# Altium PCB fpgav2.2.PcbDoc (part 5 of 5)
Units mm, origin at the board's own origin, x right, y up, seen from the top; angles counter-clockwise.
Board outline 100 x 100 mm, 4 copper layers (Top Layer, S1, S2, Bottom Layer), stack 1.853 mm thick; 11 components, 223 nets, 672 pads, 762 vias.
Unrouted connection lines stored in the file: 7.
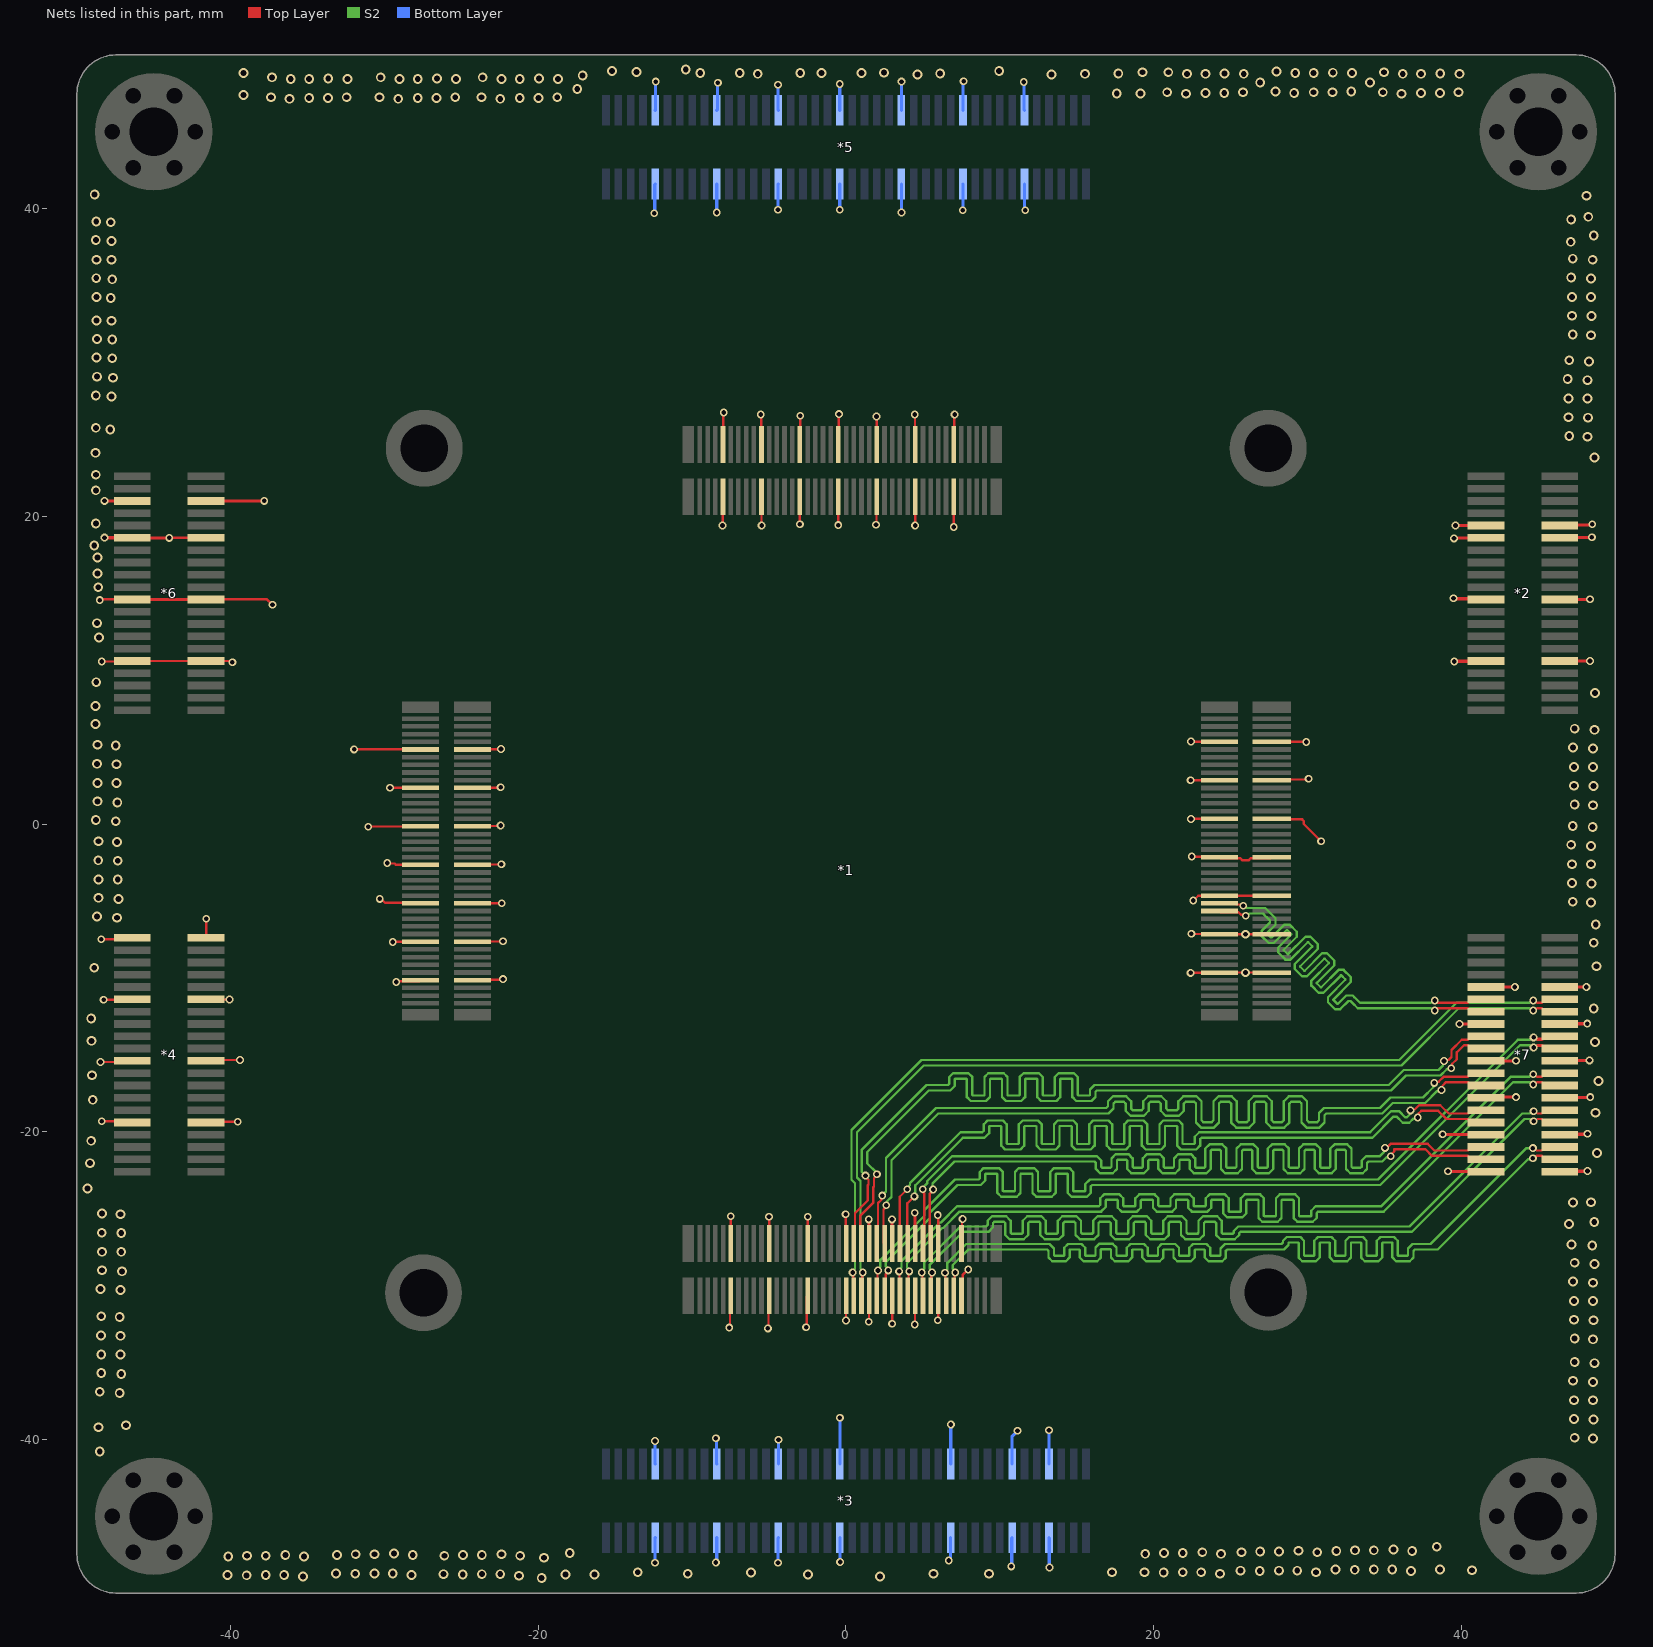
[diagram p7: the nets of this part, all layers, seen from the top]

## Via types
v1: diameter 0.508, hole 0.305, Top Layer to Bottom Layer, 418 vias
v2: diameter 0.635, hole 0.381, Top Layer to Bottom Layer, 340 vias
v3: diameter 0.559, hole 0.305, Top Layer to Bottom Layer, 4 vias

## Nets (pads, with @x,y where several pads share a name; then routed paths per layer and width w, separated by ;. In a path a pad name is that pad's centre, name@x,y a point inside that pad or via, vN(x,y) a via of type N, cw(c..) or ccw(c..) an arc to the next point about the centre after c; other vN are vias at no path point) (continued)
GND: *1.9 *1.10 *1.19 *1.20 *1.29 *1.30 *1.39 *1.40 *1.49 *1.50 *1.59 *1.60 *1.69 *1.70 *1.89 *1.90 *1.99 *1.100 *1.109 *1.110 *1.119 *1.120 *1.129 *1.130 *1.139 *1.140 *1.149 *1.150 *1.169 *1.170 *1.179 *1.180 *1.189 *1.190 *1.199 *1.200 *1.209 *1.210 *1.219 *1.220 *1.229 *1.230 *1.249 *1.250 *1.255 *1.256 *1.261 *1.262 *1.267 *1.268 *1.273 *1.274 *1.279 *1.280 *1.289 *1.290 *1.299 *1.300 *1.309 *1.310 *2.9 *2.10 *2.11 *2.12 *2.21 *2.22 *2.31 *2.32 *3.7 *3.8 *3.13 *3.14 *3.23 *3.24 *3.41 *3.42 *3.51 *3.52 *3.61 *3.62 *3.71 *3.72 *4.9 *4.10 *4.19 *4.20 *4.29 *4.30 *4.39 *4.40 *5.9 *5.10 *5.19 *5.20 *5.29 *5.30 *5.39 *5.40 *5.49 *5.50 *5.59 *5.60 *5.69 *5.70 *6.9 *6.10 *6.19 *6.20 *6.29 *6.30 *6.35 *6.36 *7.9 *7.10 *7.15 *7.16 *7.21 *7.22 *7.27 *7.28 *7.33 *7.34 *7.39 *7.40 | length 265.7
  Top Layer w0.152: v1(-48.514,14.554) -48.468,14.6 *6.19@-46.4,14.6 ; v1(-48.463,-15.469) -46.469,-15.469 *4.19@-46.4,-15.4 ; v1(-48.412,-7.493) -46.493,-7.493 *4.39@-46.4,-7.4 ; v1(-48.387,-19.329) -46.471,-19.329 *4.9@-46.4,-19.4 ; v1(-48.387,10.566) -46.434,10.566 *6.9@-46.4,10.6 *6.10@-41.6,10.6 -41.592,10.592 -40.064,10.592 -39.988,10.516 v1(-39.892,10.516) ; v1(-48.26,-11.43) -46.43,-11.43 *4.29@-46.4,-11.4 ; v1(-44,18.6) *6.30@-41.6,18.6 ; *4.10@-41.6,-19.4 -41.555,-19.355 v1(-39.548,-19.355) ; *4.20@-41.6,-15.4 -41.542,-15.342 v1(-39.395,-15.342) ; *4.30@-41.6,-11.4 -41.595,-11.405 v1(-40.081,-11.405) ; *4.40@-41.6,-7.4 -41.588,-7.388 v1(-41.588,-6.164) ; *6.20@-41.6,14.6 -37.638,14.6 v1(-37.287,14.249) ; v1(-31.979,4.851) -31.976,4.849 -27.673,4.849 *1.230@-27.671,4.847 ; v1(-31.064,-0.178) -31.052,-0.166 -27.683,-0.166 *1.210@-27.671,-0.154 ; v1(-30.311,-4.868) -30.214,-4.868 -29.966,-5.117 -27.708,-5.117 *1.190@-27.671,-5.154 ; v1(-29.82,-2.54) -29.788,-2.572 -29.337,-2.572 -29.261,-2.648 -27.677,-2.648 *1.200@-27.671,-2.654 ; v1(-29.642,2.362) -29.634,2.354 -27.679,2.354 *1.220@-27.671,2.346 ; v1(-29.464,-7.671) -29.455,-7.662 -27.68,-7.662 *1.180@-27.671,-7.654 ; v1(-29.234,-10.275) -29.173,-10.214 -27.758,-10.214 -27.745,-10.227 *1.170@-27.671,-10.153 ; *1.169@-24.272,-10.153 -24.237,-10.119 -22.336,-10.119 v1(-22.301,-10.084) ; *1.179@-24.272,-7.654 -24.255,-7.637 -22.318,-7.637 v1(-22.301,-7.62) ; *1.189@-24.272,-5.154 -24.271,-5.155 v1(-22.377,-5.156) v1(-22.377,-5.156) ; *1.199@-24.272,-2.654 -24.253,-2.635 -22.422,-2.635 v1(-22.403,-2.616) ; *1.209@-24.272,-0.154 -24.246,-0.128 -22.48,-0.128 v1(-22.454,-0.102) ; *1.219@-24.272,2.346 -24.251,2.367 -22.474,2.367 v1(-22.454,2.388) ; *1.229@-24.272,4.847 -24.257,4.862 -22.443,4.862 v1(-22.428,4.877) ; v1(-8.026,19.406) -8.011,19.421 -8.011,21.257 *1.89@-7.995,21.272 ; *1.90@-7.995,24.671 -7.973,24.694 -7.973,26.724 v1(-7.95,26.746) ; v1(-7.595,-32.741) -7.543,-32.689 -7.543,-30.723 *1.310@-7.491,-30.671 ; *1.309@-7.492,-27.271 v1(-7.493,-25.502) ; v1(-5.537,26.619) -5.516,26.598 -5.516,24.692 *1.100@-5.496,24.671 ; *1.99@-5.496,21.272 -5.496,19.466 -5.486,19.456 v1(-5.486,19.406) ; v1(-5.08,-32.791) -5.036,-32.747 -5.036,-30.715 *1.300@-4.991,-30.671 ; v1(-5.004,-25.527) -4.998,-25.533 -4.998,-27.266 *1.299@-4.991,-27.272 ; v1(-2.997,19.482) *1.109@-2.996,21.271 ; *1.110@-2.996,24.671 -2.984,24.683 -2.984,26.531 v1(-2.972,26.543) ; v1(-2.591,-32.715) -2.541,-32.665 -2.541,-30.721 *1.290@-2.491,-30.671 ; *1.289@-2.49,-27.271 v1(-2.489,-25.527) ; v1(-0.508,19.431) -0.502,19.437 -0.502,21.266 *1.119@-0.496,21.272 ; *1.120@-0.496,24.671 -0.474,24.693 -0.474,26.623 v1(-0.452,26.645) ; v1(-0.025,-25.375) -0.008,-25.392 -0.008,-27.255 *1.279@0.009,-27.272 ; v1(0,-32.283) 0.004,-32.279 0.004,-30.675 *1.280@0.009,-30.671 ; v1(1.473,-32.36) 1.491,-32.342 1.491,-30.689 *1.274@1.509,-30.671 ; v1(1.956,19.456) 1.98,19.481 1.98,21.248 *1.129@2.004,21.272 ; v1(1.981,26.492) 1.993,26.481 1.993,24.682 *1.130@2.004,24.671 ; v1(2.997,-32.487) 3.003,-32.481 3.003,-30.677 *1.268@3.009,-30.671 ; v1(4.47,-32.537) 4.49,-32.518 4.49,-30.69 *1.262@4.509,-30.671 ; v1(4.47,26.619) 4.487,26.602 4.487,24.688 *1.140@4.504,24.671 ; v1(4.496,19.406) 4.5,19.41 4.5,21.268 *1.139@4.504,21.272 ; v1(5.969,-32.258) 5.989,-32.238 5.989,-30.691 *1.256@6.009,-30.671 ; v1(5.969,-25.425) 5.989,-25.445 5.989,-27.252 *1.255@6.009,-27.272 ; *1.149@7.005,21.272 7.007,21.269 7.007,19.307 v1(7.01,19.304) ; *1.150@7.005,24.671 7.033,24.699 7.033,26.591 v1(7.061,26.619) ; *1.250@7.509,-30.671 7.582,-30.597 7.582,-29.324 v1(7.95,-28.956) ; *1.249@7.509,-27.272 7.546,-27.235 7.546,-25.717 v1(7.583,-25.679) ; v1(22.403,-9.677) 22.412,-9.668 24.263,-9.668 *1.69@24.272,-9.659 *1.70@27.671,-9.659 ; v1(22.403,2.845) 22.405,2.843 24.27,2.843 *1.19@24.272,2.841 ; v1(22.428,0.33) 22.504,0.33 22.516,0.341 *1.29@24.272,0.341 ; v1(22.428,5.359) 22.437,5.35 24.263,5.35 *1.9@24.272,5.341 ; v1(22.454,-7.137) 22.464,-7.148 24.261,-7.148 *1.59@24.272,-7.159 *1.60@27.671,-7.158 ; v1(22.479,-2.108) 22.504,-2.133 24.247,-2.133 *1.39@24.272,-2.158 24.346,-2.232 25.637,-2.232 25.771,-2.366 26.171,-2.366 26.305,-2.232 27.597,-2.232 *1.40@27.671,-2.158 ; v1(22.581,-4.978) 22.901,-4.658 *1.49@24.272,-4.658 *1.50@27.671,-4.658 ; *1.30@27.671,0.341 27.715,0.298 29.654,0.298 29.762,0.19 29.762,0.007 v1(30.886,-1.118) ; *1.20@27.671,2.841 27.724,2.894 30.021,2.894 v1(30.074,2.946) ; *1.10@27.671,5.341 27.675,5.338 29.918,5.338 v1(29.921,5.334)
  Top Layer w0.203: v1(-48.209,18.618) -48.2,18.609 -46.409,18.609 *6.29@-46.4,18.6 v1(-44,18.6) ; v1(-48.209,21.006) -48.206,21.003 -46.403,21.003 *6.35@-46.4,21 ; *6.19@-46.4,14.6 *6.20@-41.6,14.6 ; *6.36@-41.6,21 -41.597,21.003 -37.823,21.003 v1(-37.821,21.006) ; v1(1.473,-25.705) 1.491,-25.723 1.491,-27.254 *1.273@1.509,-27.272 ; v1(2.993,-25.703) 3.001,-25.711 3.001,-27.264 *1.267@3.009,-27.272 ; v1(4.47,-25.273) 4.49,-25.292 4.49,-27.253 *1.261@4.509,-27.272 ; v1(38.786,-20.168) 38.802,-20.184 41.584,-20.184 *7.34@41.6,-20.2 ; v1(39.141,-22.581) 39.161,-22.6 *7.40@41.6,-22.6 ; v1(39.497,14.681) 39.538,14.641 41.559,14.641 *2.22@41.6,14.6 ; v1(39.522,18.567) 39.539,18.584 41.584,18.584 *2.12@41.6,18.6 ; v1(39.548,10.566) 39.565,10.583 41.583,10.583 *2.32@41.6,10.6 ; v1(39.624,19.406) 39.627,19.403 41.597,19.403 *2.10@41.6,19.4 ; v1(39.878,-13.005) 39.88,-13.002 41.598,-13.002 *7.16@41.6,-13 ; *7.28@41.6,-17.8 41.645,-17.755 v1(43.561,-17.755) ; *7.22@41.6,-15.4 41.604,-15.396 43.557,-15.396 v1(43.561,-15.392) ; *7.10@41.6,-10.6 41.604,-10.596 43.481,-10.596 v1(43.485,-10.592) ; *7.39@46.4,-22.6 46.422,-22.578 48.187,-22.578 v1(48.209,-22.555) ; *7.33@46.4,-20.2 46.429,-20.171 48.18,-20.171 v1(48.209,-20.142) ; *7.27@46.4,-17.8 46.423,-17.777 48.364,-17.777 v1(48.387,-17.755) ; *7.21@46.4,-15.4 46.417,-15.383 48.32,-15.383 v1(48.336,-15.367) ; *7.15@46.4,-13 46.41,-12.99 48.174,-12.99 v1(48.184,-12.979) ; *7.9@46.4,-10.6 46.404,-10.596 48.129,-10.596 v1(48.133,-10.592) ; *2.31@46.4,10.6 46.404,10.596 48.358,10.596 v1(48.362,10.592) ; *2.21@46.4,14.6 46.403,14.603 48.359,14.603 v1(48.362,14.605) ; *2.11@46.4,18.6 46.422,18.622 48.467,18.622 v1(48.489,18.644) ; *2.9@46.4,19.4 46.441,19.441 48.473,19.441 v1(48.514,19.482)
  Bottom Layer w0.203: v1(-12.471,39.7) -12.436,39.736 -12.436,41.564 *5.10@-12.4,41.6 ; v1(-12.421,-48.031) -12.41,-48.021 -12.41,-46.41 *3.71@-12.4,-46.4 ; v1(-12.421,-40.107) -12.41,-40.117 -12.41,-41.59 *3.72@-12.4,-41.6 ; *5.9@-12.4,46.4 -12.385,46.415 -12.385,48.245 v1(-12.37,48.26) ; v1(-8.458,-48.006) -8.4,-47.948 *3.61@-8.4,-46.4 ; v1(-8.458,-39.929) -8.429,-39.958 -8.429,-41.571 *3.62@-8.4,-41.6 ; v1(-8.407,39.751) -8.404,39.755 -8.404,41.596 *5.20@-8.4,41.6 ; *5.19@-8.4,46.4 -8.366,46.434 -8.366,48.149 v1(-8.331,48.184) ; v1(-4.42,-48.031) -4.41,-48.022 -4.41,-46.41 *3.51@-4.4,-46.4 ; v1(-4.42,39.929) -4.41,39.939 -4.41,41.59 *5.30@-4.4,41.6 ; v1(-4.42,48.057) -4.41,48.047 -4.41,46.41 *5.29@-4.4,46.4 ; *3.52@-4.4,-41.6 -4.397,-41.597 -4.397,-40.033 v1(-4.394,-40.03) ; v1(-0.406,39.929) -0.403,39.932 -0.403,41.597 *5.40@-0.4,41.6 ; v1(-0.406,48.108) -0.403,48.104 -0.403,46.403 *5.39@-0.4,46.4 ; *3.41@-0.4,-46.4 -0.39,-46.41 -0.39,-47.971 v1(-0.381,-47.981) ; *3.42@-0.4,-41.6 v1(-0.4,-38.602) ; *5.50@3.6,41.6 3.6,39.758 v1(3.607,39.751) ; *5.49@3.6,46.4 3.603,46.403 3.603,48.257 v1(3.607,48.26) ; v1(6.68,-47.879) 6.68,-47.797 6.8,-47.677 *3.23@6.8,-46.4 ; *3.24@6.8,-41.6 6.809,-41.591 6.809,-39.047 v1(6.817,-39.039) v1@6.817,-39.005 ; v1(7.595,39.903) 7.597,39.906 7.597,41.597 *5.60@7.6,41.6 ; *5.59@7.6,46.4 7.6,48.24 v1(7.645,48.285) ; v1(10.744,-48.26) 10.772,-48.232 10.772,-46.428 *3.13@10.8,-46.4 ; *3.14@10.8,-41.6 10.8,-39.797 v1(11.151,-39.446) ; v1(11.557,48.235) 11.579,48.213 11.579,46.422 *5.69@11.6,46.4 ; *5.70@11.6,41.6 11.6,40.124 11.6,39.962 v1(11.659,39.903) ; *3.7@13.2,-46.4 13.217,-46.417 13.217,-48.32 v1(13.233,-48.336) ; *3.8@13.2,-41.6 v1(13.2,-39.408) v1@13.2,-39.378
  other v2: -19.787,-49.022 -35.306,-48.92 2.21,-48.92 -21.26,-48.87 -38.964,-48.844 -40.208,-48.819 -37.719,-48.819 -36.525,-48.819 -28.245,-48.819 -24.917,-48.793 -18.237,-48.793 -16.358,-48.793 -2.464,-48.793 -26.162,-48.768 -23.673,-48.768 -22.479,-48.768 -31.902,-48.743 -10.287,-48.743 5.69,-48.743 9.296,-48.743 24.308,-48.743 -33.147,-48.717 -30.658,-48.717 -29.464,-48.717 -6.172,-48.666 20.65,-48.666 -13.538,-48.641 17.297,-48.641 19.406,-48.641 21.895,-48.641 23.089,-48.641 30.556,-48.641 26.899,-48.565 36.728,-48.565 25.654,-48.539 28.143,-48.539 29.337,-48.539 40.691,-48.514 33.071,-48.489 31.826,-48.463 34.315,-48.463 35.509,-48.463 38.608,-48.463 -19.634,-47.701 -40.157,-47.625 -35.23,-47.625 -38.938,-47.574 -37.719,-47.574 -26.111,-47.574 -21.184,-47.574 -36.449,-47.523 -33.096,-47.523 -28.169,-47.523 -24.892,-47.523 -23.673,-47.523 -31.877,-47.473 -30.658,-47.473 -22.403,-47.473 19.456,-47.447 24.384,-47.447 -29.388,-47.422 -17.958,-47.396 20.676,-47.396 21.895,-47.396 23.165,-47.346 25.705,-47.346 30.632,-47.346 26.924,-47.295 28.143,-47.295 31.877,-47.269 36.805,-47.269 29.413,-47.244 33.096,-47.219 34.315,-47.219 35.585,-47.168 38.405,-46.99 -48.514,-40.792 48.565,-39.954 47.371,-39.903 -48.59,-39.218 -46.812,-39.091 48.59,-38.71 47.32,-38.684 47.32,-37.465 48.565,-37.465 -47.219,-36.982 -48.514,-36.906 48.565,-36.271 47.269,-36.195 -47.117,-35.763 -48.412,-35.687 48.666,-35.052 47.371,-34.976 -48.412,-34.493 -47.168,-34.493 48.565,-33.503 47.371,-33.452 -47.168,-33.274 -48.438,-33.249 48.59,-32.258 47.32,-32.233 -47.219,-32.055 -48.412,-32.004 47.32,-31.013 48.565,-31.013 -47.168,-30.302 -48.463,-30.226 48.565,-29.82 47.269,-29.743 -47.066,-29.083 -48.362,-29.007 48.666,-28.6 47.371,-28.524 -48.362,-27.813 -47.117,-27.813 48.514,-27.407 47.168,-27.33 -47.117,-26.594 -48.387,-26.568 47,-26 48.641,-25.883 -47.168,-25.375 -48.362,-25.324 47.269,-24.613 48.438,-24.587 -49.301,-23.698 -49.149,-22.047 48.819,-21.387 -49.073,-20.599 48.717,-18.771 -48.971,-17.932 48.92,-16.713 -49.022,-16.332 48.692,-14.173 -49.047,-14.097 -49.073,-12.649 48.616,-11.989 -48.87,-9.347 48.793,-9.246 48.616,-7.722 48.743,-6.528 -47.396,-6.096 -48.692,-6.02 48.438,-5.105 47.244,-5.055 -47.295,-4.877 -48.59,-4.801 48.463,-3.861 47.193,-3.835 -48.59,-3.607 -47.346,-3.607 47.193,-2.616 48.438,-2.616 -47.346,-2.388 -48.616,-2.362 48.438,-1.422 47.142,-1.346 -47.396,-1.168 -48.59,-1.118 48.539,-0.203 47.244,-0.127 -47.473,0.178 -48.768,0.254 48.565,1.219 47.371,1.27 -47.371,1.397 -48.666,1.473 48.59,2.464 47.32,2.489 -48.666,2.667 -47.422,2.667 47.32,3.708 48.565,3.708 -47.422,3.886 -48.692,3.912 48.565,4.902 47.269,4.978 -47.473,5.105 -48.666,5.156 48.666,6.121 47.371,6.198 -48.793,6.502 -48.793,7.671 48.692,8.509 -48.743,9.22 -48.565,12.116 -48.692,13.056 -48.616,15.392 -48.666,16.281 -48.666,17.323 -48.87,18.11 -48.768,19.533 -48.768,21.692 -48.768,22.708 48.666,23.825 -48.793,24.13 48.209,25.171 47.015,25.222 -47.828,25.654 -48.768,25.756 48.235,26.416 46.965,26.441 46.965,27.661 48.209,27.661 -47.752,27.788 -48.768,27.864 48.209,28.854 46.914,28.931 -47.65,29.007 -48.692,29.083 48.311,30.074 47.015,30.15 -47.701,30.277 -48.717,30.328 -47.701,31.496 -48.692,31.521 48.438,31.775 47.244,31.826 -47.752,32.715 -48.717,32.741 48.463,33.02 47.193,33.045 -47.803,34.188 -48.717,34.265 47.193,34.265 48.438,34.265 -47.701,35.408 48.438,35.458 -48.743,35.484 47.142,35.535 -48.717,36.678 -47.752,36.678 48.539,36.678 47.244,36.754 47.117,37.846 -47.752,37.897 -48.768,37.973 48.616,38.252 -47.803,39.116 -48.743,39.167 47.142,39.294 48.26,39.472 48.133,40.843 -48.844,40.919 -36.17,47.142 -29.108,47.142 -22.479,47.142 -34.9,47.193 -33.68,47.193 -27.838,47.193 -26.619,47.193 -21.209,47.193 -19.99,47.193 -37.389,47.244 -32.461,47.244 -30.328,47.244 -25.4,47.244 -23.698,47.244 -18.771,47.244 -39.167,47.396 22.098,47.473 36.119,47.473 17.602,47.498 19.152,47.498 23.368,47.523 24.587,47.523 29.134,47.523 37.389,47.523 38.608,47.523 20.879,47.574 25.806,47.574 30.404,47.574 31.623,47.574 34.9,47.574 39.827,47.574 27.915,47.625 32.842,47.625 -17.475,47.777 26.924,48.209 34.061,48.209 -36.093,48.438 -34.9,48.438 -32.41,48.438 -29.032,48.438 -27.838,48.438 -25.349,48.438 -22.403,48.438 -21.209,48.438 -18.72,48.438 -33.655,48.463 -26.594,48.463 -19.964,48.463 -37.313,48.539 -30.251,48.539 -23.622,48.539 -17.12,48.666 4.648,48.717 13.36,48.717 -5.74,48.768 15.545,48.768 22.174,48.768 23.368,48.768 25.857,48.768 36.195,48.768 37.389,48.768 39.878,48.768 6.121,48.793 17.704,48.793 24.613,48.793 38.633,48.793 -39.167,48.819 -9.474,48.819 -6.909,48.819 -2.972,48.819 -1.6,48.819 1.016,48.819 29.21,48.819 30.404,48.819 32.893,48.819 2.464,48.844 31.648,48.844 19.279,48.87 20.955,48.87 34.976,48.87 -13.614,48.895 27.991,48.92 -15.215,48.946 9.957,48.946 -10.414,49.047
  other v3: 25.972,-9.659 25.972,-7.159
MGT_CLK_N: *1.278 *7.11 | length 60.3
  Top Layer w0.152: v1(0.432,-29.159) 0.47,-29.198 0.47,-30.632 *1.278@0.509,-30.671 ; 44.927,-11.622 45.228,-11.622 45.45,-11.4 *7.11@46.4,-11.4
  S2 w0.152: v1(0.432,-29.159) 0.432,-29.063 0.584,-28.911 0.584,-23.36 0.356,-23.131 0.356,-19.893 4.907,-15.342 35.972,-15.342 39.691,-11.622 44.43,-11.622 44.582,-11.47 v1(44.679,-11.47)
MGT_CLK_P: *1.276 *7.13 | length 59.8
  Top Layer w0.152: *1.276@1.009,-30.671 1.051,-30.629 1.051,-29.201 v1(1.092,-29.159) ; 44.927,-11.978 45.228,-11.978 45.45,-12.2 *7.13@46.4,-12.2
  S2 w0.152: v1(1.092,-29.159) 1.092,-29.063 0.94,-28.911 0.94,-23.212 0.711,-22.984 0.711,-20.041 5.055,-15.697 36.119,-15.697 39.838,-11.978 44.43,-11.978 44.582,-12.13 v1(44.679,-12.13)
MGT_RX0_N: *1.272 *7.17 | length 60.5
  Top Layer w0.152: *1.272@2.009,-30.671 2.009,-29.584 2.046,-29.547 2.046,-29.069 v1(2.083,-29.032)
  Top Layer w0.203: v1@44.913,-13.997 45.253,-13.997 45.45,-13.8 *7.17@46.4,-13.8
  S2 w0.152: v1(2.083,-29.032) 2.083,-28.936 2.235,-28.784 2.235,-28.337 5.105,-25.466 5.105,-25.104 7.095,-23.114 8.28,-23.114 8.611,-23.114 8.7,-23.025 8.7,-22.62 8.948,-22.372 9.951,-22.372 10.199,-22.62 10.199,-23.837 10.238,-23.876 10.947,-23.876 10.986,-23.837 10.986,-22.62 11.234,-22.372 12.237,-22.372 12.485,-22.62 12.485,-23.837 12.524,-23.876 13.233,-23.876 13.272,-23.837 13.272,-22.62 13.52,-22.372 14.523,-22.372 14.771,-22.62 14.771,-23.837 14.81,-23.876 15.519,-23.876 15.558,-23.837 15.558,-23.412 15.856,-23.114 16.184,-23.114 34.586,-23.114 43.677,-14.022 44.455,-14.022 44.608,-13.87 v1(44.704,-13.87)
MGT_RX0_P: *1.270 *7.19 | length 59.9
  Top Layer w0.152: *1.270@2.509,-30.671 2.583,-30.597 2.583,-29.276 2.743,-29.116 v1(2.743,-29.019)
  Top Layer w0.203: v1@44.913,-14.403 45.253,-14.403 45.45,-14.6 *7.19@46.4,-14.6
  S2 w0.152: v1(2.743,-29.019) 2.743,-28.923 2.591,-28.771 2.591,-28.484 5.461,-25.614 5.461,-25.251 7.242,-23.47 8.28,-23.47 8.758,-23.47 9.056,-23.172 9.056,-22.767 9.095,-22.728 9.804,-22.728 9.843,-22.767 9.843,-23.984 10.091,-24.232 11.094,-24.232 11.342,-23.984 11.342,-22.767 11.381,-22.728 12.09,-22.728 12.129,-22.767 12.129,-23.984 12.377,-24.232 13.38,-24.232 13.628,-23.984 13.628,-22.767 13.667,-22.728 14.376,-22.728 14.415,-22.767 14.415,-23.984 14.663,-24.232 15.666,-24.232 15.914,-23.984 15.914,-23.559 16.003,-23.47 16.184,-23.47 34.733,-23.47 43.825,-14.378 44.455,-14.378 44.608,-14.53 v1(44.704,-14.53)
MGT_RX1_N: *1.277 *7.18 | length 60.4
  Top Layer w0.152: *1.277@0.509,-27.272 0.581,-27.2 0.581,-25.302 1.422,-24.46 1.422,-23.478 1.461,-23.44 1.461,-23.127 1.27,-22.936 v1(1.27,-22.86) ; 39.161,-15.34 39.36,-15.141 39.36,-14.686 40.024,-14.022 40.428,-14.022 40.65,-13.8 *7.18@41.6,-13.8
  S2 w0.152: v1(1.27,-22.86) 1.27,-22.847 1.016,-22.593 1.016,-21.189 5.238,-16.967 6.375,-16.967 6.626,-16.967 6.715,-16.878 6.715,-16.453 6.963,-16.205 7.966,-16.205 8.214,-16.453 8.214,-17.609 8.253,-17.648 8.962,-17.648 9.001,-17.609 9.001,-16.453 9.249,-16.205 10.252,-16.205 10.5,-16.453 10.5,-17.609 10.539,-17.648 11.248,-17.648 11.287,-17.609 11.287,-16.453 11.535,-16.205 12.538,-16.205 12.786,-16.453 12.786,-17.609 12.825,-17.648 13.534,-17.648 13.573,-17.609 13.573,-16.453 13.821,-16.205 14.824,-16.205 15.072,-16.453 15.072,-17.609 15.111,-17.648 15.82,-17.648 15.859,-17.609 15.859,-17.265 16.157,-16.967 16.485,-16.967 35.28,-16.967 36.255,-15.992 38.509,-15.992 38.81,-15.692 38.81,-15.476 v1(38.878,-15.408)
MGT_RX1_P: *1.275 *7.20 | length 59.9
  Top Layer w0.152: *1.275@1.009,-27.272 0.937,-27.2 0.937,-25.449 1.778,-24.607 1.778,-23.625 1.816,-23.587 1.816,-23.033 2.007,-22.842 v1(2.007,-22.766) ; 39.413,-15.591 39.716,-15.288 39.716,-14.833 40.171,-14.378 40.428,-14.378 40.65,-14.6 *7.20@41.6,-14.6
  S2 w0.152: v1(2.007,-22.766) 2.007,-22.69 1.372,-22.054 1.372,-21.336 5.385,-17.323 6.375,-17.323 6.773,-17.323 7.071,-17.025 7.071,-16.6 7.11,-16.561 7.819,-16.561 7.858,-16.6 7.858,-17.756 8.106,-18.004 9.109,-18.004 9.357,-17.756 9.357,-16.6 9.396,-16.561 10.105,-16.561 10.144,-16.6 10.144,-17.756 10.392,-18.004 11.395,-18.004 11.643,-17.756 11.643,-16.6 11.682,-16.561 12.391,-16.561 12.43,-16.6 12.43,-17.756 12.678,-18.004 13.681,-18.004 13.929,-17.756 13.929,-16.6 13.968,-16.561 14.677,-16.561 14.716,-16.6 14.716,-17.756 14.964,-18.004 15.967,-18.004 16.215,-17.756 16.215,-17.412 16.304,-17.323 16.485,-17.323 35.427,-17.323 36.402,-16.348 38.656,-16.348 39.061,-15.943 39.277,-15.943 v1(39.345,-15.875)
MGT_RX2_N: *1.260 *7.29 | length 60.3
  Top Layer w0.152: v1(4.929,-29.159) 4.969,-29.199 4.969,-30.631 *1.260@5.009,-30.671 ; 44.953,-18.822 45.228,-18.822 45.45,-18.6 *7.29@46.4,-18.6
  S2 w0.152: v1(4.929,-29.159) 4.929,-29.063 5.081,-28.911 5.081,-28.529 7.448,-26.162 8.788,-26.162 9.115,-26.162 9.205,-26.073 9.205,-25.789 9.492,-25.502 10.416,-25.502 10.703,-25.789 10.703,-26.566 10.782,-26.645 11.412,-26.645 11.491,-26.566 11.491,-25.789 11.778,-25.502 12.702,-25.502 12.989,-25.789 12.989,-26.566 13.068,-26.645 13.698,-26.645 13.777,-26.566 13.777,-25.789 14.064,-25.502 14.988,-25.502 15.275,-25.789 15.275,-26.566 15.354,-26.645 15.984,-26.645 16.063,-26.566 16.063,-25.789 16.35,-25.502 17.274,-25.502 17.561,-25.789 17.561,-26.566 17.64,-26.645 18.27,-26.645 18.349,-26.566 18.349,-25.789 18.636,-25.502 19.56,-25.502 19.847,-25.789 19.847,-26.566 19.926,-26.645 20.556,-26.645 20.635,-26.566 20.635,-25.789 20.922,-25.502 21.846,-25.502 22.133,-25.789 22.133,-26.566 22.212,-26.645 22.842,-26.645 22.921,-26.566 22.921,-25.789 23.208,-25.502 24.132,-25.502 24.419,-25.789 24.419,-26.566 24.498,-26.645 25.128,-26.645 25.207,-26.566 25.207,-26.46 25.504,-26.162 25.832,-26.162 36.627,-26.162 43.967,-18.822 44.455,-18.822 44.608,-18.67 v1(44.704,-18.67)
MGT_RX2_P: *1.258 *7.31 | length 59.7
  Top Layer w0.152: *1.258@5.509,-30.671 5.549,-30.631 5.549,-29.199 v1(5.589,-29.159) ; 44.953,-19.178 45.228,-19.178 45.45,-19.4 *7.31@46.4,-19.4
  S2 w0.152: v1(5.589,-29.159) 5.589,-29.063 5.437,-28.911 5.437,-28.677 7.596,-26.518 8.788,-26.518 9.263,-26.518 9.56,-26.22 9.56,-25.936 9.639,-25.857 10.269,-25.857 10.348,-25.936 10.348,-26.713 10.635,-27 11.559,-27 11.846,-26.713 11.846,-25.936 11.925,-25.857 12.555,-25.857 12.634,-25.936 12.634,-26.713 12.921,-27 13.845,-27 14.132,-26.713 14.132,-25.936 14.211,-25.857 14.841,-25.857 14.92,-25.936 14.92,-26.713 15.207,-27 16.131,-27 16.418,-26.713 16.418,-25.936 16.497,-25.857 17.127,-25.857 17.206,-25.936 17.206,-26.713 17.493,-27 18.417,-27 18.704,-26.713 18.704,-25.936 18.783,-25.857 19.413,-25.857 19.492,-25.936 19.492,-26.713 19.779,-27 20.703,-27 20.99,-26.713 20.99,-25.936 21.069,-25.857 21.699,-25.857 21.778,-25.936 21.778,-26.713 22.065,-27 22.989,-27 23.276,-26.713 23.276,-25.936 23.355,-25.857 23.985,-25.857 24.064,-25.936 24.064,-26.713 24.351,-27 25.275,-27 25.562,-26.713 25.562,-26.607 25.651,-26.518 25.832,-26.518 36.774,-26.518 44.114,-19.178 44.455,-19.178 44.608,-19.33 v1(44.704,-19.33)
MGT_RX3_N: *1.265 *7.30 | length 60.2
  Top Layer w0.152: *1.265@3.509,-27.272 3.488,-27.251 3.488,-24.229 v1(3.978,-23.739) ; 36.987,-18.55 37.256,-18.281 38.638,-18.281 39.18,-18.822 40.428,-18.822 40.65,-18.6 *7.30@41.6,-18.6
  S2 w0.152: v1(3.978,-23.739) 3.978,-23.65 4.156,-23.472 4.156,-23.336 7.451,-20.041 8.534,-20.041 8.861,-20.041 8.951,-19.951 8.951,-19.526 9.198,-19.279 10.201,-19.279 10.449,-19.526 10.449,-20.763 10.489,-20.803 11.197,-20.803 11.237,-20.763 11.237,-19.526 11.484,-19.279 12.487,-19.279 12.735,-19.526 12.735,-20.763 12.775,-20.803 13.483,-20.803 13.523,-20.763 13.523,-19.526 13.77,-19.279 14.773,-19.279 15.021,-19.526 15.021,-20.763 15.061,-20.803 15.769,-20.803 15.809,-20.763 15.809,-19.526 16.056,-19.279 17.059,-19.279 17.307,-19.526 17.307,-20.763 17.347,-20.803 18.055,-20.803 18.095,-20.763 18.095,-19.526 18.342,-19.279 19.345,-19.279 19.593,-19.526 19.593,-20.763 19.633,-20.803 20.341,-20.803 20.381,-20.763 20.381,-19.526 20.628,-19.279 21.631,-19.279 21.879,-19.526 21.879,-20.763 21.919,-20.803 22.627,-20.803 22.667,-20.763 22.667,-20.338 22.964,-20.041 23.292,-20.041 34.074,-20.041 35.448,-18.667 35.943,-18.667 36.343,-19.067 36.47,-19.067 36.635,-18.902 36.635,-18.782 v1@36.691,-18.726
  other v1: 36.703,-18.618
MGT_RX3_P: *1.263 *7.32 | length 59.8
  Top Layer w0.152: *1.263@4.009,-27.272 4.009,-26.169 3.988,-26.148 3.988,-24.663 v1(4.445,-24.206) ; 37.238,-18.802 37.403,-18.636 38.491,-18.636 39.033,-19.178 40.428,-19.178 40.65,-19.4 *7.32@41.6,-19.4
  S2 w0.152: v1(4.445,-24.206) 4.511,-24.14 4.511,-23.483 7.599,-20.396 8.534,-20.396 9.009,-20.396 9.306,-20.099 9.306,-19.674 9.346,-19.634 10.054,-19.634 10.094,-19.674 10.094,-20.911 10.341,-21.158 11.344,-21.158 11.592,-20.911 11.592,-19.674 11.632,-19.634 12.34,-19.634 12.38,-19.674 12.38,-20.911 12.627,-21.158 13.63,-21.158 13.878,-20.911 13.878,-19.674 13.918,-19.634 14.626,-19.634 14.666,-19.674 14.666,-20.911 14.913,-21.158 15.916,-21.158 16.164,-20.911 16.164,-19.674 16.204,-19.634 16.912,-19.634 16.952,-19.674 16.952,-20.911 17.199,-21.158 18.202,-21.158 18.45,-20.911 18.45,-19.674 18.49,-19.634 19.198,-19.634 19.238,-19.674 19.238,-20.911 19.485,-21.158 20.488,-21.158 20.736,-20.911 20.736,-19.674 20.776,-19.634 21.484,-19.634 21.524,-19.674 21.524,-20.911 21.771,-21.158 22.774,-21.158 23.022,-20.911 23.022,-20.485 23.111,-20.396 23.292,-20.396 34.222,-20.396 35.595,-19.023 35.796,-19.023 36.196,-19.423 36.617,-19.423 36.886,-19.153 37.006,-19.153 37.062,-19.097 37.062,-18.977 v1(37.17,-19.085)
MGT_TX0_N: *1.266 *7.23 | length 60.3
  Top Layer w0.152: v1(3.454,-29.083) 3.482,-29.11 3.482,-30.644 *1.266@3.509,-30.671 ; 44.927,-16.422 45.228,-16.422 45.45,-16.2 *7.23@46.4,-16.2
  S2 w0.152: v1(3.454,-29.083) 3.454,-28.987 3.607,-28.834 3.607,-28.406 6.104,-25.908 6.169,-25.908 7.236,-24.841 16.256,-24.841 16.436,-24.841 16.526,-24.752 16.526,-24.327 16.773,-24.079 17.777,-24.079 18.024,-24.327 18.024,-24.802 18.064,-24.841 18.772,-24.841 18.812,-24.802 18.812,-24.327 19.059,-24.079 20.063,-24.079 20.31,-24.327 20.31,-24.802 20.35,-24.841 21.058,-24.841 21.098,-24.802 21.098,-24.327 21.345,-24.079 22.349,-24.079 22.596,-24.327 22.596,-24.802 22.636,-24.841 23.344,-24.841 23.384,-24.802 23.384,-24.327 23.631,-24.079 24.635,-24.079 24.882,-24.327 24.882,-25.174 24.922,-25.214 25.63,-25.214 25.67,-25.174 25.67,-24.327 25.917,-24.079 26.921,-24.079 27.168,-24.327 27.168,-25.462 27.208,-25.502 27.916,-25.502 27.956,-25.462 27.956,-24.327 28.203,-24.079 29.207,-24.079 29.454,-24.327 29.454,-25.462 29.494,-25.502 30.202,-25.502 30.242,-25.462 30.242,-25.139 30.539,-24.841 31.725,-24.841 34.807,-24.841 43.226,-16.422 44.43,-16.422 44.582,-16.27 v1(44.679,-16.27)
MGT_TX0_P: *1.264 *7.25 | length 59.7
  Top Layer w0.152: *1.264@4.009,-30.671 4.062,-30.618 4.062,-29.136 v1(4.115,-29.083) ; 44.927,-16.778 45.228,-16.778 45.45,-17 *7.25@46.4,-17
  S2 w0.152: v1(4.115,-29.083) 4.115,-28.987 3.962,-28.834 3.962,-28.553 6.252,-26.264 6.316,-26.264 7.383,-25.197 16.256,-25.197 16.584,-25.197 16.881,-24.899 16.881,-24.474 16.921,-24.435 17.629,-24.435 17.669,-24.474 17.669,-24.949 17.916,-25.197 18.92,-25.197 19.167,-24.949 19.167,-24.474 19.207,-24.435 19.915,-24.435 19.955,-24.474 19.955,-24.949 20.202,-25.197 21.206,-25.197 21.453,-24.949 21.453,-24.474 21.493,-24.435 22.201,-24.435 22.241,-24.474 22.241,-24.949 22.488,-25.197 23.492,-25.197 23.739,-24.949 23.739,-24.474 23.779,-24.435 24.487,-24.435 24.527,-24.474 24.527,-25.322 24.774,-25.569 25.778,-25.569 26.025,-25.322 26.025,-24.474 26.065,-24.435 26.773,-24.435 26.813,-24.474 26.813,-25.61 27.06,-25.857 28.064,-25.857 28.311,-25.61 28.311,-24.474 28.351,-24.435 29.059,-24.435 29.099,-24.474 29.099,-25.61 29.346,-25.857 30.35,-25.857 30.597,-25.61 30.597,-25.286 30.687,-25.197 31.725,-25.197 34.954,-25.197 43.373,-16.778 44.43,-16.778 44.582,-16.93 v1(44.679,-16.93)
MGT_TX1_N: *1.271 *7.24 | length 60.6
  Top Layer w0.152: *1.271@2.009,-27.272 2.081,-27.2 2.081,-24.91 2.083,-24.908 2.083,-24.641 2.289,-24.436 2.289,-24.229 v1(2.357,-24.161) ; 38.526,-16.762 38.866,-16.422 40.428,-16.422 40.65,-16.2 *7.24@41.6,-16.2
  S2 w0.152: v1(2.357,-24.161) 2.357,-24.136 2.599,-23.894 2.599,-21.714 5.847,-18.466 16.739,-18.466 16.919,-18.466 17.037,-18.348 17.037,-18.03 17.363,-17.704 18.209,-17.704 18.536,-18.03 18.536,-18.5 18.654,-18.618 19.205,-18.618 19.323,-18.5 19.323,-18.03 19.649,-17.704 20.495,-17.704 20.822,-18.03 20.822,-18.5 20.94,-18.618 21.491,-18.618 21.609,-18.5 21.609,-18.03 21.935,-17.704 22.781,-17.704 23.108,-18.03 23.108,-19.262 23.226,-19.38 23.777,-19.38 23.895,-19.262 23.895,-18.03 24.221,-17.704 25.067,-17.704 25.394,-18.03 25.394,-19.262 25.512,-19.38 26.063,-19.38 26.181,-19.262 26.181,-18.03 26.507,-17.704 27.353,-17.704 27.68,-18.03 27.68,-19.262 27.798,-19.38 28.349,-19.38 28.467,-19.262 28.467,-18.03 28.793,-17.704 29.639,-17.704 29.966,-18.03 29.966,-19.262 30.084,-19.38 30.635,-19.38 30.753,-19.262 30.753,-18.792 31.079,-18.466 31.547,-18.466 34.715,-18.466 35.401,-17.78 37.509,-17.78 38.175,-17.114 38.175,-16.898 v1(38.243,-16.83)
MGT_TX1_P: *1.269 *7.26 | length 60
  Top Layer w0.152: *1.269@2.509,-27.272 2.437,-27.2 2.437,-25.057 2.616,-24.878 v1(2.616,-24.79) ; 38.778,-17.014 39.014,-16.778 40.428,-16.778 40.65,-17 *7.26@41.6,-17
  S2 w0.152: v1(2.616,-24.79) 2.684,-24.722 2.684,-24.515 2.955,-24.245 2.955,-21.861 5.994,-18.821 16.739,-18.821 17.066,-18.821 17.393,-18.495 17.393,-18.178 17.511,-18.059 18.062,-18.059 18.18,-18.178 18.18,-18.647 18.506,-18.974 19.352,-18.974 19.679,-18.647 19.679,-18.178 19.797,-18.059 20.348,-18.059 20.466,-18.178 20.466,-18.647 20.792,-18.974 21.638,-18.974 21.965,-18.647 21.965,-18.178 22.083,-18.059 22.634,-18.059 22.752,-18.178 22.752,-19.409 23.078,-19.736 23.924,-19.736 24.251,-19.409 24.251,-18.178 24.369,-18.059 24.92,-18.059 25.038,-18.178 25.038,-19.409 25.364,-19.736 26.21,-19.736 26.537,-19.409 26.537,-18.178 26.655,-18.059 27.206,-18.059 27.324,-18.178 27.324,-19.409 27.65,-19.736 28.496,-19.736 28.823,-19.409 28.823,-18.178 28.941,-18.059 29.492,-18.059 29.61,-18.178 29.61,-19.409 29.936,-19.736 30.782,-19.736 31.109,-19.409 31.109,-18.94 31.227,-18.821 31.547,-18.821 34.862,-18.821 35.548,-18.136 37.656,-18.136 38.426,-17.365 38.642,-17.365 v1(38.71,-17.297)
MGT_TX2_N: *1.254 *7.35 | length 60.4
  Top Layer w0.152: v1(6.437,-29.175) 6.473,-29.211 6.473,-30.635 *1.254@6.509,-30.671 ; 44.902,-21.222 45.228,-21.222 45.45,-21 *7.35@46.4,-21
  S2 w0.152: v1(6.437,-29.175) 6.437,-29.079 6.59,-28.927 6.59,-28.53 7.814,-27.305 11.43,-27.305 13.225,-27.305 13.523,-27.603 13.523,-28.034 13.556,-28.067 14.15,-28.067 14.183,-28.034 14.183,-27.546 14.424,-27.305 15.313,-27.305 15.555,-27.546 15.555,-28.034 15.588,-28.067 16.182,-28.067 16.215,-28.034 16.215,-27.539 16.456,-27.298 17.345,-27.298 17.587,-27.539 17.587,-28.034 17.62,-28.067 18.214,-28.067 18.247,-28.034 18.247,-27.546 18.488,-27.305 19.377,-27.305 19.619,-27.546 19.619,-28.034 19.652,-28.067 20.246,-28.067 20.279,-28.034 20.279,-27.546 20.52,-27.305 21.409,-27.305 21.651,-27.546 21.651,-28.034 21.684,-28.067 22.278,-28.067 22.311,-28.034 22.311,-27.546 22.552,-27.305 23.441,-27.305 23.683,-27.546 23.683,-28.034 23.716,-28.067 24.31,-28.067 24.343,-28.034 24.343,-27.603 24.641,-27.305 28.318,-27.305 28.407,-27.216 28.407,-27.091 28.648,-26.85 29.537,-26.85 29.779,-27.091 29.779,-28.034 29.812,-28.067 30.406,-28.067 30.439,-28.034 30.439,-27.091 30.68,-26.85 31.569,-26.85 31.811,-27.091 31.811,-28.034 31.844,-28.067 32.438,-28.067 32.471,-28.034 32.471,-27.091 32.712,-26.85 33.601,-26.85 33.843,-27.091 33.843,-28.034 33.876,-28.067 34.47,-28.067 34.503,-28.034 34.503,-27.091 34.744,-26.85 35.633,-26.85 35.875,-27.091 35.875,-28.034 35.908,-28.067 36.502,-28.067 36.535,-28.034 36.535,-27.603 36.833,-27.305 37.16,-27.305 37.998,-27.305 44.234,-21.07 v1(44.653,-21.07)
MGT_TX2_P: *1.252 *7.37 | length 59.7
  Top Layer w0.152: *1.252@7.009,-30.671 7.053,-30.627 7.053,-29.204 v1(7.097,-29.159) ; 44.902,-21.578 45.228,-21.578 45.45,-21.8 *7.37@46.4,-21.8
  S2 w0.152: v1(7.097,-29.159) 7.097,-29.063 6.945,-28.911 6.945,-28.677 7.961,-27.661 11.43,-27.661 13.078,-27.661 13.167,-27.75 13.167,-28.181 13.408,-28.423 14.297,-28.423 14.539,-28.181 14.539,-27.694 14.572,-27.661 15.166,-27.661 15.199,-27.694 15.199,-28.181 15.44,-28.423 16.329,-28.423 16.571,-28.181 16.571,-27.686 16.604,-27.653 17.198,-27.653 17.231,-27.686 17.231,-28.181 17.472,-28.423 18.361,-28.423 18.603,-28.181 18.603,-27.694 18.636,-27.661 19.23,-27.661 19.263,-27.694 19.263,-28.181 19.504,-28.423 20.393,-28.423 20.635,-28.181 20.635,-27.694 20.668,-27.661 21.262,-27.661 21.295,-27.694 21.295,-28.181 21.536,-28.423 22.425,-28.423 22.667,-28.181 22.667,-27.694 22.7,-27.661 23.294,-27.661 23.327,-27.694 23.327,-28.181 23.568,-28.423 24.457,-28.423 24.699,-28.181 24.699,-27.75 24.788,-27.661 28.465,-27.661 28.763,-27.363 28.763,-27.239 28.796,-27.206 29.39,-27.206 29.423,-27.239 29.423,-28.181 29.664,-28.423 30.553,-28.423 30.795,-28.181 30.795,-27.239 30.828,-27.206 31.422,-27.206 31.455,-27.239 31.455,-28.181 31.696,-28.423 32.585,-28.423 32.827,-28.181 32.827,-27.239 32.86,-27.206 33.454,-27.206 33.487,-27.239 33.487,-28.181 33.728,-28.423 34.617,-28.423 34.859,-28.181 34.859,-27.239 34.892,-27.206 35.486,-27.206 35.519,-27.239 35.519,-28.181 35.76,-28.423 36.649,-28.423 36.891,-28.181 36.891,-27.75 36.98,-27.661 37.16,-27.661 38.469,-27.661 44.337,-21.792 44.591,-21.792 v1(44.653,-21.73)
MGT_TX3_N: *1.259 *7.36 | length 60.4
  Top Layer w0.152: v1(4.994,-23.749) 5.062,-23.817 5.062,-23.997 5.081,-24.016 5.081,-27.2 *1.259@5.009,-27.272 ; v1(35.046,-21.054) 35.142,-21.054 35.401,-20.795 37.819,-20.795 38.247,-21.222 40.428,-21.222 40.65,-21 *7.36@41.6,-21
  S2 w0.152: v1(4.994,-23.749) 4.994,-23.653 5.272,-23.375 5.272,-23.219 6.902,-21.59 14.961,-21.59 16.304,-21.59 16.602,-21.888 16.602,-22.286 16.668,-22.352 17.196,-22.352 17.262,-22.286 17.262,-21.737 17.537,-21.463 18.359,-21.463 18.634,-21.737 18.634,-22.286 18.7,-22.352 19.228,-22.352 19.294,-22.286 19.294,-21.737 19.569,-21.463 20.391,-21.463 20.666,-21.737 20.666,-22.286 20.732,-22.352 21.26,-22.352 21.326,-22.286 21.326,-21.737 21.601,-21.463 22.423,-21.463 22.698,-21.737 22.698,-22.286 22.764,-22.352 23.292,-22.352 23.358,-22.286 23.358,-21.102 23.633,-20.828 24.455,-20.828 24.73,-21.102 24.73,-22.286 24.796,-22.352 25.324,-22.352 25.39,-22.286 25.39,-21.102 25.665,-20.828 26.487,-20.828 26.762,-21.102 26.762,-22.286 26.828,-22.352 27.356,-22.352 27.422,-22.286 27.422,-21.102 27.697,-20.828 28.519,-20.828 28.794,-21.102 28.794,-22.286 28.86,-22.352 29.388,-22.352 29.454,-22.286 29.454,-21.102 29.729,-20.828 30.551,-20.828 30.826,-21.102 30.826,-22.286 30.892,-22.352 31.42,-22.352 31.486,-22.286 31.486,-21.102 31.761,-20.828 32.583,-20.828 32.858,-21.102 32.858,-22.286 32.924,-22.352 33.452,-22.352 33.518,-22.286 33.518,-21.888 33.816,-21.59 34.62,-21.59 34.717,-21.59 34.978,-21.329 34.978,-21.122 v1(35.046,-21.054)
MGT_TX3_P: *1.257 *7.38 | length 59.8
  Top Layer w0.152: *1.257@5.509,-27.272 5.436,-27.2 5.436,-24.052 5.665,-23.823 v1(5.665,-23.76) ; v1(35.417,-21.6) 35.417,-21.504 35.651,-21.27 35.651,-21.151 37.672,-21.151 38.099,-21.578 40.428,-21.578 40.65,-21.8 *7.38@41.6,-21.8
  S2 w0.152: v1(5.665,-23.76) 5.628,-23.722 5.628,-23.367 7.049,-21.946 14.961,-21.946 16.157,-21.946 16.246,-22.035 16.246,-22.433 16.521,-22.708 17.343,-22.708 17.618,-22.433 17.618,-21.885 17.684,-21.819 18.212,-21.819 18.278,-21.885 18.278,-22.433 18.553,-22.708 19.375,-22.708 19.65,-22.433 19.65,-21.885 19.716,-21.819 20.244,-21.819 20.31,-21.885 20.31,-22.433 20.585,-22.708 21.407,-22.708 21.682,-22.433 21.682,-21.885 21.748,-21.819 22.276,-21.819 22.342,-21.885 22.342,-22.433 22.617,-22.708 23.439,-22.708 23.714,-22.433 23.714,-21.25 23.78,-21.184 24.308,-21.184 24.374,-21.25 24.374,-22.433 24.649,-22.708 25.471,-22.708 25.746,-22.433 25.746,-21.25 25.812,-21.184 26.34,-21.184 26.406,-21.25 26.406,-22.433 26.681,-22.708 27.503,-22.708 27.778,-22.433 27.778,-21.25 27.844,-21.184 28.372,-21.184 28.438,-21.25 28.438,-22.433 28.713,-22.708 29.535,-22.708 29.81,-22.433 29.81,-21.25 29.876,-21.184 30.404,-21.184 30.47,-21.25 30.47,-22.433 30.745,-22.708 31.567,-22.708 31.842,-22.433 31.842,-21.25 31.908,-21.184 32.436,-21.184 32.502,-21.25 32.502,-22.433 32.777,-22.708 33.599,-22.708 33.874,-22.433 33.874,-22.035 33.963,-21.946 34.62,-21.946 34.864,-21.946 35.142,-21.668 35.349,-21.668 v1(35.417,-21.6)
XADC_VN: *1.51 *7.12 | length 34.7
  Top Layer w0.152: *1.51@24.272,-5.158 25.322,-5.158 25.396,-5.232 25.748,-5.232 v1(25.827,-5.311) ; v1@38.379,-11.622 39.959,-11.622 40.428,-11.622 40.65,-11.4 *7.12@41.6,-11.4
  S2 w0.152: v1(25.827,-5.311) 25.924,-5.311 26.077,-5.465 27.253,-5.465 27.595,-5.806 27.722,-5.934 27.919,-6.131 27.919,-6.552 27.376,-7.096 27.376,-7.125 27.634,-7.383 27.663,-7.383 28.507,-6.539 28.831,-6.539 29.298,-7.006 29.298,-7.329 28.453,-8.174 28.453,-8.202 28.712,-8.461 28.741,-8.461 29.872,-7.33 30.195,-7.33 30.662,-7.797 30.662,-8.12 29.531,-9.251 29.531,-9.28 29.79,-9.539 29.818,-9.539 30.95,-8.407 31.273,-8.407 31.74,-8.874 31.74,-9.197 30.609,-10.329 30.609,-10.358 30.867,-10.616 30.896,-10.616 32.027,-9.485 32.351,-9.485 32.818,-9.952 32.818,-10.275 31.686,-11.406 31.686,-11.435 31.945,-11.694 31.974,-11.694 32.517,-11.15 32.938,-11.15 33.042,-11.254 33.17,-11.382 33.41,-11.622 38.029,-11.622 38.182,-11.47 v1(38.278,-11.47)
XADC_VP: *1.53 *7.14 | length 34.7
  Top Layer w0.152: *1.53@24.272,-5.659 24.346,-5.732 25.519,-5.732 25.688,-5.901 25.916,-5.901 v1(25.984,-5.969) ; v1@38.379,-11.978 39.812,-11.978 40.428,-11.978 40.65,-12.2 *7.14@41.6,-12.2
  S2 w0.152: v1(25.984,-5.969) 26.08,-5.969 26.229,-5.82 27.106,-5.82 27.343,-6.058 27.471,-6.185 27.564,-6.279 27.564,-6.405 27.02,-6.949 27.02,-7.272 27.487,-7.739 27.81,-7.739 28.655,-6.895 28.683,-6.895 28.942,-7.153 28.942,-7.182 28.098,-8.026 28.098,-8.35 28.565,-8.817 28.888,-8.817 30.019,-7.685 30.048,-7.685 30.307,-7.944 30.307,-7.973 29.175,-9.104 29.175,-9.427 29.642,-9.894 29.966,-9.894 31.097,-8.763 31.126,-8.763 31.384,-9.021 31.384,-9.05 30.253,-10.182 30.253,-10.505 30.72,-10.972 31.043,-10.972 32.175,-9.84 32.203,-9.84 32.462,-10.099 32.462,-10.128 31.331,-11.259 31.331,-11.582 31.798,-12.049 32.121,-12.049 32.665,-11.506 32.791,-11.506 32.918,-11.633 33.263,-11.978 38.029,-11.978 38.182,-12.13 v1(38.278,-12.13)
pads on no net: *1. *1.11 *1.12 *1.13 *1.14 *1.15 *1.17 *1.52 *1.55 *1.57 *1.62 *1.64 *1.66 *1.68 *1.72 *1.74 *1.76 *1.78 *1.79 *1.80 *1.235 *1.236 *1.241 *1.242 *1.243 *1.244 *1.245 *1.246 *1.247 *1.248 *1.251 *1.253 *1.319 *1.320 *2.38 *2.40 *7.2 SP1.1 SP2.1 SP3.1 SP4.1

## Polygon pours and split planes (outlines as drawn)
GND on Bottom Layer "GND_L04_P013" (solid, remove dead copper, pour order 13): -50.48,49.963 -50.353,49.836 -50.353,-50.545 50.409,-50.545 50.79,-50.164 50.282,-49.656 50.282,50.217
+12 on Bottom Layer "Bottom Layer-+12" (solid, remove dead copper, pour order 12): 13.589,-47.854 16.18,-47.854 16.205,-47.828 16.205,9.55 21.692,9.55 21.692,19.533 47.904,19.533 47.904,22.936 18.974,22.841 18.974,19.533 19.152,19.533 19.152,12.217 19.211,12.158 16.205,12.158 16.205,12.209 13.589,12.158
+5 on Bottom Layer "Bottom Layer-+5" (solid, pour order 8): 15.773,14.503 15.824,18.237 10.795,18.191 10.795,14.503 11.252,14.503 11.252,-48.158 11.201,-48.209 11.227,-48.235 12.751,-48.235 12.751,14.503
GND on Top Layer "GND_L01_P015" (solid, remove dead copper, pour order 15): -50.622,49.886 -50.622,-49.53 -50.8,-49.708 -50.47,-50.038 50.47,-50.038 50.47,49.403 49.809,50.063
fpga5V on Top Layer "Top Layer-fpga5V" (solid, remove dead copper, pour order 10): 48.336,11.1 48.362,11.074 48.438,11.151 48.438,14.122 25.692,13.914 22.793,13.903 22.784,13.894 22.784,5.563 29.261,5.563 29.464,5.766 29.464,11.1
+12 on Top Layer "+12_L01_P006" (solid, remove dead copper, pour order 6): 40.208,22.911 40.208,19.863 47.904,19.863 47.904,22.936
+5 on Top Layer "+5_L01_P004" (solid, remove dead copper, pour order 4): 10.744,18.186 10.744,15.113 40.132,15.113 48.311,15.113 48.311,18.161 48.285,18.186
GND on S2 "GND_L03_P014" (solid, remove dead copper, pour order 14): -50.267,50.114 -50.267,-50.063 50.114,-50.063 49.86,-49.809 49.86,50.165
GND on S1 "GND_L02_P000" (solid, remove dead copper, pour order 0): 50,50.444 -50.698,50.444 -50.698,-50.14 50,-50.254

## Keep-outs
Keep-Out Layer:
  the board outline again, w0.254

## Silkscreen, mask and mechanical layers (free items; w line width, h text height)
Top Overlay:
  text "JLCJLCJLCJLC" at -8.763,-0.102 h1.52
Bottom Overlay:
  text "ax7A200-V2" at 46.126,37.49 h1.52
  text "desined by kulya" at 45.923,34.899 h1.52
  text "https://github.com/kulya97" at 46.126,32.41 h1.52
Mechanical 1:
  the board outline again, w0.254

## Text inside footprints (layer, text, board x,y; h text height)
*1: Top Overlay "CON3" at -31.797,8.85 h0.64 r90; Top Overlay "CON4" at -2.29,-34.043 h0.64; Top Overlay "CON1" at 31.283,-3.1 h0.64 r90; Top Overlay "CON2" at 0.33,28.857 h0.64